# KiCad board cynthion.kicad_pcb (continued)
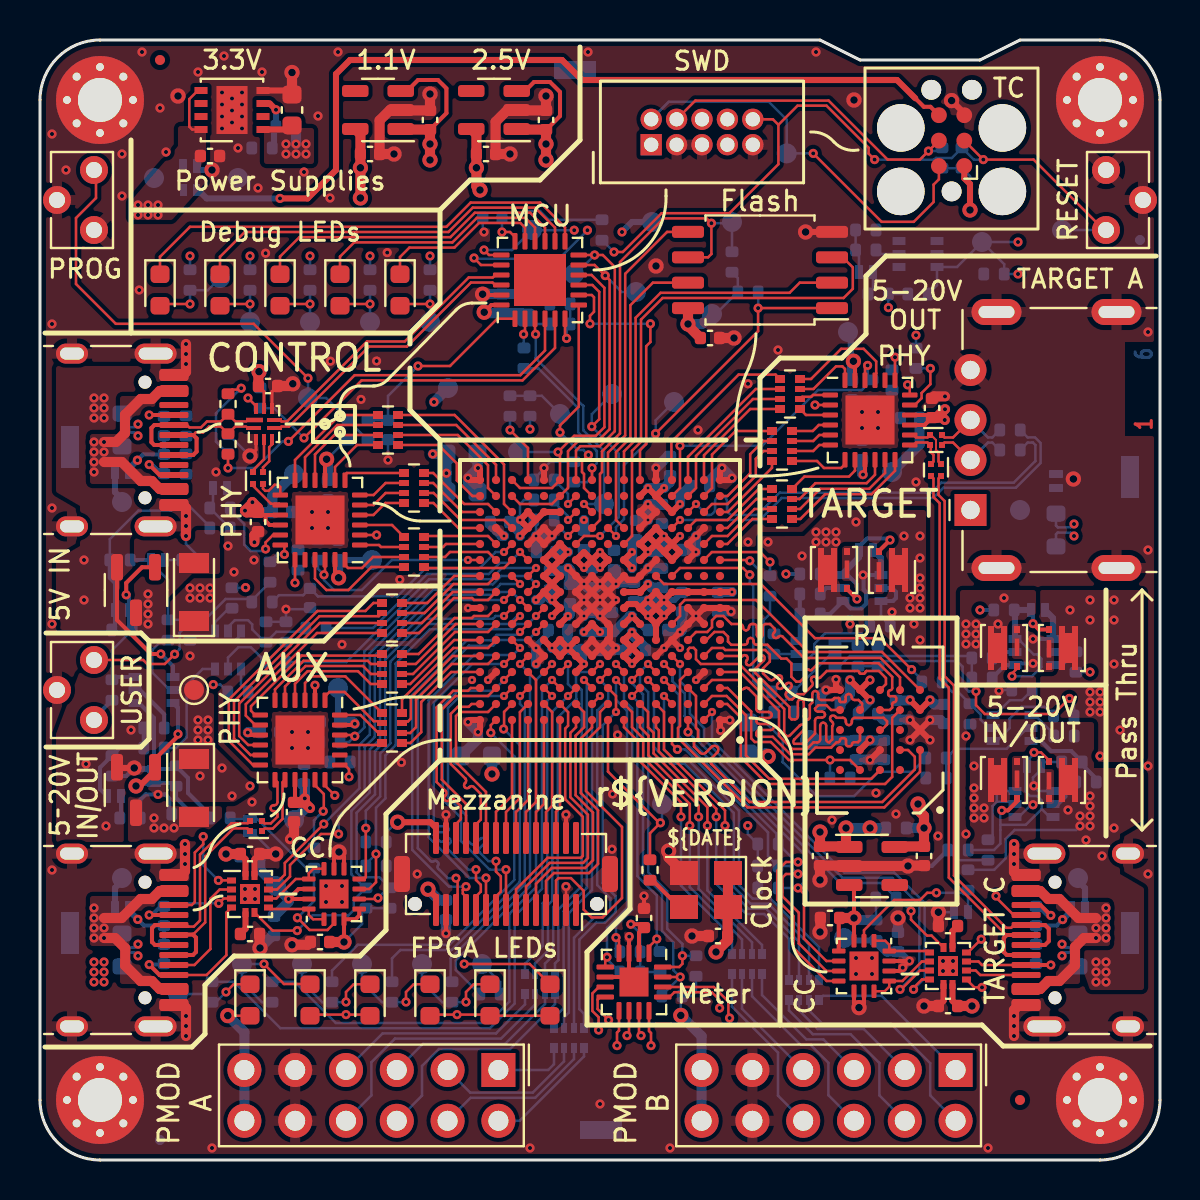
[diagram p0: board, top side]
## Nets (continued)
/FPGA Bank 8 and Configuration Flash/FPGA_CFG2: IC1.R10 R14.1
/FPGA Bank 8 and Configuration Flash/FPGA_FLASH_CLK: IC1.N9 R109.2 TP10.1 U7.6
/FPGA Bank 8 and Configuration Flash/IO0: IC1.T8 U7.5
/FPGA Bank 8 and Configuration Flash/IO1: IC1.T7 U7.2
/FPGA Bank 8 and Configuration Flash/IO2: IC1.M7 U7.3
/FPGA Bank 8 and Configuration Flash/IO3: IC1.N7 U7.7
/FPGA Bank 8 and Configuration Flash/~{CS}: IC1.N8 R110.2 TP11.1 U7.1
/FPGA Bank 8 and Configuration Flash/~{FPGA_SELF_PROGRAM}: IC1.T13 R5.2
/FPGA Banks 0 and 1/LED0: IC1.E13 R31.2
/FPGA Banks 0 and 1/LED1: IC1.C13 R30.2
/FPGA Banks 0 and 1/LED2: IC1.B14 R29.2
/FPGA Banks 0 and 1/LED3: IC1.A15 R28.2
/FPGA Banks 0 and 1/LED4: IC1.D12 R27.2
/FPGA Banks 0 and 1/LED5: IC1.C11 R26.2
/FPGA Banks 0 and 1/MON.GPIO: IC1.D6 R86.2 U1.15
/FPGA Banks 0 and 1/MON.SCL: IC1.D7 R83.2 U1.4
/FPGA Banks 0 and 1/MON.SDA: IC1.C7 R84.2 U1.5
/FPGA Banks 0 and 1/MON.SLOW: IC1.C6 R85.2 U1.1
/FPGA Banks 0 and 1/MON.~{PWRDN}: IC1.D5 R87.2 U1.16
/FPGA Banks 0 and 1/TARGET_C.SBU1S: IC1.A2 U13.10
/FPGA Banks 0 and 1/TARGET_C.SBU2S: IC1.E4 U13.9
/FPGA Banks 0 and 1/TARGET_C.SCL: IC1.A4 R98.2 U2.6
/FPGA Banks 0 and 1/TARGET_C.SDA: IC1.C4 R97.2 U2.7
/FPGA Banks 0 and 1/TARGET_C.~{FAULT}: IC1.D4 R100.2 U13.6
/FPGA Banks 0 and 1/TARGET_C.~{INT}: IC1.A3 R37.2 U2.5
/FPGA Banks 2 and 3/~{AUX_VBUS_IN_EN}: IC1.L13 R78.2
/FPGA Banks 2 and 3/~{BTN_USER}: C78.1 IC1.M14 R107.1
/FPGA Banks 2 and 3/~{CONTROL_VBUS_IN_EN}: IC1.K13 R71.2
/FPGA Banks 6 and 7/AUX_VBUS_EN: IC1.L2 R63.2
/FPGA Banks 6 and 7/CONTROL_VBUS_EN: IC1.L1 R40.2
/FPGA Banks 6 and 7/RAM.CK: IC1.C3 U10.B2
/FPGA Banks 6 and 7/RAM.DQ0: IC1.F2 U10.D3
/FPGA Banks 6 and 7/RAM.DQ1: IC1.B1 U10.D2
/FPGA Banks 6 and 7/RAM.DQ2: IC1.C2 U10.C4
/FPGA Banks 6 and 7/RAM.DQ3: IC1.E1 U10.D4
/FPGA Banks 6 and 7/RAM.DQ4: IC1.E3 U10.D5
/FPGA Banks 6 and 7/RAM.DQ5: IC1.E2 U10.E3
/FPGA Banks 6 and 7/RAM.DQ6: IC1.F3 U10.E2
/FPGA Banks 6 and 7/RAM.DQ7: IC1.G4 U10.E1
/FPGA Banks 6 and 7/RAM.RWDS: IC1.D1 U10.C3
/FPGA Banks 6 and 7/RAM.~{CK}: IC1.D3 U10.B1
/FPGA Banks 6 and 7/RAM.~{CS}: IC1.B2 U10.A3
/FPGA Banks 6 and 7/RAM.~{RESET}: IC1.C1 R119.1 U10.A4
/FPGA Banks 6 and 7/TARGET_A_DISCHARGE: IC1.K4 R88.2
/FPGA Banks 6 and 7/TARGET_C_VBUS_EN: IC1.K5 R65.2
/FPGA Banks 6 and 7/TARGET_FS_MONITOR_D+: IC1.N4 R58.2
/FPGA Banks 6 and 7/TARGET_FS_MONITOR_D-: IC1.P3 R57.2
/FPGA Banks 6 and 7/TARGET_PHY.CLK: IC1.T4 RN11.1
/FPGA Banks 6 and 7/TARGET_PHY.DATA0: IC1.R2 RN12.1
/FPGA Banks 6 and 7/TARGET_PHY.DATA1: IC1.R1 RN12.2
/FPGA Banks 6 and 7/TARGET_PHY.DATA2: IC1.P2 RN12.3
/FPGA Banks 6 and 7/TARGET_PHY.DATA3: IC1.P1 RN12.4
/FPGA Banks 6 and 7/TARGET_PHY.DATA4: IC1.N3 RN13.1
/FPGA Banks 6 and 7/TARGET_PHY.DATA5: IC1.N1 RN13.2
/FPGA Banks 6 and 7/TARGET_PHY.DATA6: IC1.M2 RN13.3
/FPGA Banks 6 and 7/TARGET_PHY.DATA7: IC1.M1 RN13.4
/FPGA Banks 6 and 7/TARGET_PHY.DIR: IC1.R3 RN11.3
/FPGA Banks 6 and 7/TARGET_PHY.NXT: IC1.T2 RN11.4
/FPGA Banks 6 and 7/TARGET_PHY.STP: IC1.T3 RN11.2
/FPGA Banks 6 and 7/TARGET_PHY.~{RESET}: IC1.R4 R23.1 U9.22
/Power Distribution and Monitoring/~{POWER_GOOD}: Q16.6 R43.2 R103.2 R112.2 R113.2 R114.2 R115.2 R116.2 R117.2 TP8.1
/TARGET Port/TARGET PHY/CLK: RN11.8 U9.21
/TARGET Port/TARGET PHY/DATA0: RN12.8 U9.4
/TARGET Port/TARGET PHY/DATA1: RN12.7 U9.5
/TARGET Port/TARGET PHY/DATA2: RN12.6 U9.6
/TARGET Port/TARGET PHY/DATA3: RN12.5 U9.7
/TARGET Port/TARGET PHY/DATA4: RN13.8 U9.8
/TARGET Port/TARGET PHY/DATA5: RN13.7 U9.10
/TARGET Port/TARGET PHY/DATA6: RN13.6 U9.11
/TARGET Port/TARGET PHY/DATA7: RN13.5 U9.12
/TARGET Port/TARGET PHY/DIR: RN11.6 U9.1
/TARGET Port/TARGET PHY/NXT: RN11.5 U9.3
/TARGET Port/TARGET PHY/PHY_D+: FL2.1 FL4.1 U9.14
/TARGET Port/TARGET PHY/PHY_D-: FL2.3 FL4.3 U9.13
/TARGET Port/TARGET PHY/RBIAS: R18.2 U9.19
/TARGET Port/TARGET PHY/STP: RN11.7 U9.24
/TARGET Port/TARGET Type C Controller/CC1: C54.1 J4.A5 U13.3
/TARGET Port/TARGET Type C Controller/CC1S: U2.10 U2.11 U13.8
/TARGET Port/TARGET Type C Controller/CC2: C55.1 J4.B5 U13.4
/TARGET Port/TARGET Type C Controller/CC2S: U2.1 U2.14 U13.7
/TARGET Port/TARGET Type C Controller/SBU1: J4.A8 U13.1
/TARGET Port/TARGET Type C Controller/SBU2: J4.B8 U13.2
/TARGET Port/TARGET Type C Controller/VCONN: C45.1 R36.1 TP36.1 U2.12 U2.13
/TARGET Port/TARGET_A_D+: FL2.2 J3.3 R58.1
/TARGET Port/TARGET_A_D-: FL2.4 J3.2 R57.1
/TARGET Port/TARGET_C_D+: FL4.2 J4.A6 J4.B6
/TARGET Port/TARGET_C_D-: FL4.4 J4.A7 J4.B7
AUX_SENSE+: R42.3 U1.8
AUX_SENSE-: R42.2 U1.7
AUX_VBUS: D25.1 J1.A4 J1.A9 J1.B4 J1.B9 R42.4 TP34.1
AUX_VBUS_IN: D20.1 Q4.1 Q10.4 Q12.2 R42.1 R44.2 R74.1 R75.1
CONTROL_SENSE+: R1.2 U1.10
CONTROL_SENSE-: R1.3 U1.9
CONTROL_VBUS: D23.1 J2.A4 J2.A9 J2.B4 J2.B9 R1.1 TP16.1
CONTROL_VBUS_IN: D16.1 Q1.1 Q9.2 Q10.1 R1.4 R46.2 R67.1 R68.1
TARGET_A_SENSE+: R2.3 U1.11
TARGET_A_SENSE-: R2.2 U1.12
TARGET_A_VBUS: D24.1 J3.1 R2.4 TP7.1
TARGET_A_VBUS_IN: Q2.1 Q5.1 Q6.1 R2.1 R49.1
TARGET_C_SENSE+: R59.3 U1.13
TARGET_C_SENSE-: R59.2 U1.14
TARGET_C_VBUS: D26.1 J4.A4 J4.A9 J4.B4 J4.B9 R59.4 TP40.1
TARGET_C_VBUS_IN: Q7.1 R45.2 R59.1
Net-(D1-A): D1.2 Q12.3
Net-(D2-K): D2.1 R26.1 TP43.1
Net-(D3-K): D3.1 R27.1 TP47.1
Net-(D4-K): D4.1 R28.1 TP52.1
Net-(D5-K): D5.1 R29.1 TP53.1
Net-(D6-K): D6.1 R30.1 TP54.1
Net-(D7-K): D7.1 R31.1 TP55.1
Net-(D8-A): D8.2 Q9.3
Net-(D9-A): D9.2 J10.6
Net-(D10-A): D10.2 R7.2 TP31.1
Net-(D11-A): D11.2 R8.2 TP32.1
Net-(D12-A): D12.2 R9.2 TP38.1
Net-(D13-A): D13.2 R10.2 TP39.1
Net-(D14-A): D14.2 R11.2 TP41.1
Net-(D16-A): D16.2 Q9.1 Q10.6 R68.2 R70.1
Net-(D17-A): D17.2 R73.1
Net-(D17-K): D17.1 R47.2 R67.2 R69.1
Net-(D20-A): D20.2 Q10.3 Q12.1 R75.2 R77.1
Net-(D21-A): D21.2 R80.1
Net-(D21-K): D21.1 R48.2 R74.2 R76.1
Net-(D27-A): D27.2 Q1.3 Q2.3 Q13.6 R90.2
Net-(D27-K): D27.1 Q1.4 Q2.4 Q13.1 Q13.4 R3.1
Net-(D28-A): D28.2 Q4.3 Q5.3 Q14.6 R94.2
Net-(D28-K): D28.1 Q4.4 Q5.4 Q14.1 Q14.4 R60.1
Net-(D29-A): D29.2 Q6.3 Q7.3 Q15.6 R96.2
Net-(D29-K): D29.1 Q6.4 Q7.4 Q15.1 Q15.4 R61.1
Net-(D30-A): D30.2 R50.1 R51.1
Net-(D30-K): D30.1 R4.2
Net-(Q3A-B1): Q3.2 R40.1 R41.1
Net-(Q3A-C1): Q3.6 R3.2 R62.1
Net-(Q3A-E1): Q3.1 R112.1
Net-(Q3B-B2): Q3.5 R63.1 R64.1
Net-(Q3B-C2): Q3.3 R60.2 R92.1
Net-(Q3B-E2): Q3.4 R115.1
Net-(Q8A-B1): Q8.2 R65.1 R66.1
Net-(Q8A-C1): Q8.6 R61.2 R93.1
Net-(Q8A-E1): Q8.1 R114.1
Net-(Q8B-B2): Q8.5 R88.1 R89.1
Net-(Q8B-C2): Q8.3 R49.2
Net-(Q8B-E2): Q8.4 R103.1
Net-(Q10A-B1): Q10.2 R47.1
Net-(Q10B-B2): Q10.5 R48.1
Net-(Q11A-B1): Q11.2 R71.1 R72.1
Net-(Q11A-C1): Q11.6 R69.2
Net-(Q11A-E1): Q11.1 R113.1
Net-(Q11B-B2): Q11.5 R78.1 R79.1
Net-(Q11B-C2): Q11.3 R76.2
Net-(Q11B-E2): Q11.4 R116.1
Net-(Q13A-B1): Q13.2 Q13.3 R91.2
Net-(Q13B-B2): Q13.5 R62.2
Net-(Q14A-B1): Q14.2 Q14.3 R95.2
Net-(Q14B-B2): Q14.5 R92.2
Net-(Q15A-B1): Q15.2 Q15.3 R120.2
Net-(Q15B-B2): Q15.5 R93.2
Net-(Q16A-B1): Q16.2 R50.2
Net-(R101-Pad2): R101.2 R104.2 SW1.1 TP15.1
Net-(R106-Pad2): R106.2 R107.2 SW3.1
Net-(U3-ADJ/NC): R81.2 R82.1 U3.3
Net-(U6-PA03): R118.2 U6.2
Net-(U6-PA07): R52.2 R53.1 U6.6
Net-(U6-PA28/~{RST}): C77.1 R105.2 U6.18
Net-(U13-CB): C57.1 U13.5
Net-(U14-CB): C63.1 U14.5
Net-(U16-1D+): FL3.4 U16.5
Net-(U16-1D-): FL3.2 U16.4
Net-(Y1-OUT): R108.2 Y1.3

Pads without a net: IC1 B3 F1 G1 K1 K2 K3 M8 M9 P7 P8 R7 R8 R12 R13; J2 A8 B8; J5 1 30; J6 6 7 8; Q16 3 4 5; U3 2 6 7; U4 4; U5 4; U6 25; U8 20; U9 20; U10 A2 A5 B5 C2 C5; U11 20; U15 4

## Via types
v1: diameter 0.457, hole 0.203, Top to Bottom, 480 vias
v2: diameter 0.41, hole 0.15, Top to Bottom, 109 vias
v3: diameter 0.762, hole 0.381, Top to Bottom, 62 vias

## Routing (per net, layer and track width the routed paths; a pad name or vN(x,y) marks a point on that pad's centre or on a via; arc(x,y) is an arc through that point)
+1V1: length 17.8
  Top w0.305: IC1.L9 v2(27.2,29.6) IC1.L10 27.2,30.4 IC1.L9 ; IC1.L9 v2(28,29.6) IC1.L8 v2(28,30.4) IC1.L9 ; IC1.G7 v2(29.6,27.2) IC1.G6 ; v2(28,26.4) IC1.G9 v2(27.2,26.4)
  Top w0.508: v3(16.02,48.1) v3(16.02,49.61) C29.1 16.02,51.29 U4.5
  Bottom w0.305: C15.1 30.3,26.5 v2(29.6,27.2)
  Bottom w0.508: v2(27.2,26.4) 27.58,26.4 C13.1 27.62,26.4 v2(28,26.4) 28.58,26.4 C9.1 28.72,26.42 29.5,27.2 v2(29.6,27.2) ; C3.1 20.33,34.33 v1(20.32,34.34) 20.33,34.34 C1.1 v1(19.64,35.3) ; TP4.1 v1(19.7,37.9)
+2V5: length 10.4
  Top w0.305: v2(29.6,29.6) IC1.L7 v2(29.6,30.4) ; IC1.G11 v2(26.4,27.2)
  Top w0.508: v3(22,48.5) 21.82,48.68 v3(21.82,49.61) C30.1 21.82,51.29 U5.5
  Bottom w0.305: TP5.1 29.6,46.9 v1(29.1,46.4) ; C22.1 31.03,31.82 30.23,31.02 C26.1
  Bottom w0.508: C26.1 29.6,30.82 v2(29.6,30.4) v2(29.6,29.6) ; v2(26.4,27.2) 26.5,27.3 C24.1
+3V3: length 201.9
  Top w0.127: v1(14.74,18.23) 14.25,18.72 U11.18 ; v1(43.38,38.76) 43.49,38.65 U9.18 ; D5.2 19.56,7.27 v1(20.85,7.27) 22.44,7.27 D6.2 D7.2 ; D3.2 13.56,7.27 v1(15.3,7.27) 16.44,7.27 D4.2 ; v1(12.22,30.28) 12.22,30.7 12.17,30.75 U8.18 ; U8.2 v1(16.83,31.25) ; v3(9.39,7.22) 9.4,7.21 D2.2 ; U9.2 v1(38.75,37.75)
  Top w0.152: U16.9 11.2,38.42 C61.1
  Top w0.203: U1.2 29.95,11.37 C40.1 30.03,11.79 v1(29.54,11.79) ; v1(10.39,21.37) 10.51,21.25 U11.9 ; U9.9 41.25,34.41 41.13,34.29 ; v1(13.24,18.08) 13.25,18.09 U11.16 ; v3(14.33,35.04) 14.25,34.96 U8.9 ; 11.28,32.25 11.28,31.95 11.48,31.75 U8.16 ; 11.28,32.25 11.03,32.25 C38.1 ; 11.28,32.25 U8.15 ; U4.3 18.35,53.45 18.9,54 19.9,54 20.32,53.58 20.32,52.34 C27.1 ; v3(15.2,10.9) U12.3 15.78,12.04 15.96,12.22 U12.4 ; v3(22.21,42.39) 22.57,42.75 U6.24 ; U5.3 24.25,53.45 24.7,53.9 25.5,53.9 26,53.4 26,52.2 25.32,51.52 C28.1 ; U11.2 v1(13.75,23.74) ; U15.3 40.7,13.51 v3(40.7,12.1) U2.3 ; C66.1 12.75,17.93 U11.15 ; U9.15 44.23,36.75 C44.1 44.47,37.25 U9.16 ; U2.4 39.94,12.06 C41.1
  Top w0.305: v3(19.4,13.54) 19.8,13.14 J5.15 ; 18.07,51.52 U4.1 ; IC1.F10 v2(26.4,25.6) ; v2(26.4,25.6) IC1.E11 v2(25.6,25.6) ; v2(26.4,25.6) IC1.F11 v2(25.6,25.6) ; v2(26.4,25.6) IC1.E10 v2(27.2,24.8) IC1.D10 ; IC1.L11 IC1.K12 IC1.J11 v2(25.6,28) ; IC1.L11 v2(26.4,30.4) IC1.M11 25.6,30.4 ; IC1.L11 25.6,30.4 ; IC1.J12 IC1.K11 IC1.L12 25.6,30.4 ; IC1.J12 v2(24.8,28) ; IC1.J12 v2(25.6,28) ; IC1.R5 v2(31.2,33.6) ; IC1.R5 IC1.P4 v2(32,32.8) ; IC1.R5 v2(30.4,33.6) IC1.R6 ; v2(25.6,28) IC1.H11 v2(25.6,27.2) ; C20.1 12.4,51.53 U3.1 ; 24.8,32 IC1.P13 v2(24,32) IC1.N13 ; 24.8,32 IC1.N13 ; 24.8,32 IC1.P12 IC1.P11 ; IC1.N13 v2(24,31.2) ; IC1.M4 32,30.4 IC1.L4 31.2,30.4 ; IC1.M4 31.2,30.4 ; IC1.M4 v2(32,31.2) ; IC1.M4 v2(31.2,31.2) ; 31.2,30.4 IC1.M5 ; IC1.J7 IC1.J6 v2(30.4,28.8) ; IC1.M5 v2(31.2,31.2) ; IC1.M5 30.4,31.2 ; IC1.M5 v2(30.4,30.4) ; 29.3,26.1 29.3,25.9 IC1.E6 v2(29.6,24.8) IC1.E7 IC1.F6 v2(29.6,26.4) 29.3,26.1 ; 29.3,26.1 IC1.F7 ; C58.1 10.28,15.05 U14.12 ; v2(31.2,31.2) IC1.N5 30.4,31.2 ; J10.1 46.22,49.08 46.5,48.8 v3(46.5,47.5) ; 30.4,31.2 IC1.M6 v2(30.4,30.4) ; J5.16 19.8,16.61 19.52,16.89 v3(17.88,16.89) ; v2(30.4,30.4) IC1.L6 ; C56.1 45.62,7.95 U13.12 ; v2(25.6,25.6) IC1.F12
  Top w0.508: 18.07,51.52 C27.1 v3(19.5,50.8) v3(19.5,50) ; v3(25.3,50) v3(25.3,50.8) C28.1 23.87,51.52 U5.1 ; v1(45.25,37.54) 44.83,37.12 C44.1 45.12,37.12 v1(45.24,37) ; v3(40.3,16.6) 40.3,15.81 U15.1 40.43,15.68 C59.1 v3(39,16.4) ; Y1.1 Y1.4 34.38,12.63 C10.1 34.38,10.98 v3(33.8,10.4) ; 13.05,17.88 C66.1 13.04,17.88 v1(13.24,18.08) 13.24,17.86 v1(13.5,17.6) ; C41.1 v3(40.7,12.1) ; C58.1 v3(9.3,15.3) ; C56.1 v3(46.6,7.7) ; C61.1 10.92,39.39 v3(10.95,39.42) ; v3(15.2,10.9) C49.1 ; C35.1 32.4,41.72 v3(32.4,41.8) U7.8 ; 10.34,32.38 v1(10.25,32.47) 10.62,32.84 v1(10.62,32.89) 10.9,32.61 C38.1 10.34,32.38
  Bottom w0.127: R106.1 11.5,29.93 11.85,30.28 v1(12.22,30.28) ; R8.1 v1(10.5,45.2) ; R37.1 35.88,13.61 R98.1 35.89,14.71 R97.1 35.39,16.3 v1(35.39,16.72) ; R7.1 v1(7.5,45.2) ; R13.2 24.2,33 24,32.8 v2(24,32) ; v3(10.95,39.42) 10.95,38.66 R15.1 ; 17.6,12.59 16.1,12.59 16.1,11.8 v3(15.2,10.9) ; R11.1 v1(19.5,45.2) ; v3(46.5,47.5) 46.5,49.19 R25.1 R111.1 ; R10.1 v1(16.5,45.2) ; R43.1 R4.1 v1(42.42,42.62) ; R100.1 41.8,13.09 R36.2 ; R109.1 34.89,44.1 R110.1 33.79,42.3 TP3.1 ; R85.1 R84.1 R83.1 30.01,11.32 v1(29.54,11.79) ; v3(17.88,16.89) 17.82,16.89 17.31,16.38 R33.1 R38.1 ; R52.1 24.62,41.8 C73.1 ; R87.1 32.8,8.4 32.6,8.2 R86.1 32.04,8.13 v3(32.04,7.23) ; R6.1 v1(24.5,36.54) ; R101.1 15.31,35.99 14.36,35.04 v3(14.33,35.04) ; R9.1 v1(13.5,45.2)
  Bottom w0.305: C33.1 31.2,30.58 v2(31.2,31.2) ; C18.1 30.28,25.48 v2(29.6,24.8) ; v2(27.2,24.8) 27.2,25.42 C14.1
  Bottom w0.508: TP3.1 33.1,41.8 v3(32.4,41.8) ; v3(19.4,13.54) 19.96,12.98 C74.1 ; v2(30.4,28.8) 30.58,28.62 C12.1 ; C18.1 30.28,25.59 29.6,26.27 v2(29.6,26.4) ; v3(14.33,35.04) 14.4,34.97 C39.1 ; C2.1 v3(22.6,19.3) ; v2(24.8,28) 24.98,28 C16.1 25.5,28.1 v2(25.6,28) ; C67.1 41.1,34.32 41.13,34.29 ; C14.1 26.5,25.5 v2(26.4,25.6) ; v2(26.4,25.6) v2(25.6,25.6) ; v2(26.4,25.6) 26.38,25.62 C79.1 ; C23.1 32,33.18 v2(32,32.8) ; 13.24,18.4 13.24,17.66 13.3,17.6 ; 13.24,18.4 13.24,18.78 C48.1 ; 13.24,18.4 v1(13.24,18.08) ; v1(10.25,32.47) 10.57,32.47 10.62,32.42 ; J8.12 J8.6 33.08,6.19 v3(32.04,7.23) ; v1(13.5,17.6) 13.3,17.6 ; 13.3,17.6 TP2.1 12.77,17 ; C46.1 10.42,21.4 v1(10.39,21.37) ; v3(22.21,42.39) 22.26,42.34 C34.1 24.09,42.34 C73.1 ; v3(9.3,15.3) 9.89,15.3 R32.2 ; R54.1 v3(41.5,16.6) v3(40.3,16.6) ; 44.8,37.1 45.14,37.1 v1(45.24,37) ; 44.8,37.1 45.24,37.54 v1(45.25,37.54) ; 44.8,37.1 C42.1 43.98,35.78 TP9.1 ; R81.1 12.8,51.67 v1(12.8,50.8) ; TP26.1 11.62,33.22 C36.1 10.6,32.4 10.62,32.42 ; C4.1 36.26,20.33 v3(36.41,20.18) ; C8.1 v2(26.4,30.4) ; v2(24,32) 23.9,31.9 C80.1 24,31.38 v2(24,31.2) ; 10.62,32.42 v1(10.62,32.89) ; J7.12 J7.6 10.22,6.39 v3(9.39,7.22) ; v3(40.7,12.1) 40.8,12 R36.2 ; C33.1 31.02,30.4 v2(30.4,30.4) ; C81.1 31.5,33.9 v2(31.2,33.6) v2(30.4,33.6)
  vias: v1(12.3,50.8) v1(12.3,50.3) v1(12.8,50.3) v1(13.3,50.8) v1(13.3,50.3) v1(41.15,34.27)
+5V: length 2.8
  Top w0.127: U3.5 7.89,53.47 7.47,53.05 7.47,51.67 7.61,51.53 U3.8
  vias: v1(4.9,47.75) v1(4.9,47.25) v1(5.4,47.75) v1(5.4,47.25) v1(5.9,47.75) v1(5.9,47.25) v1(7.5,28.6) v1(7.5,28.1) v1(7.5,25.2) v1(7.9,22) v1(7.9,21.5) v1(7.9,21) v1(8,28.6) v1(8,28.1) v1(8,19.2) v1(8.4,22) v1(8.4,21.5) v1(8.4,21) v1(8.5,28.6) v1(8.5,28.1) v1(9.1,19.6) v1(9.4,30.7) v1(9.6,18.2) v1(9.7,29.4) v1(10.5,18.7) v1(10.7,30)
/AUX Port/AUX PHY/VBUS_CLAMPED: length 10.5
  Top w0.127: v1(12.87,12.11) 13.48,11.5 14.37,11.5 14.7,11.83 U12.2
  Bottom w0.127: v1(12.87,12.11) 13.7,12.94 R21.1 13.32,14.59 10.86,17.05 D15.1 9.56,17.05 R44.1
/AUX Port/AUX PHY/VBUS_SENSE: length 3.8
  Top w0.127: v1(14.16,17.44) 14.19,17.47 14.19,18.3 13.75,18.74 U11.17
  Bottom w0.127: v1(14.16,17.44) 13.7,16.98 R21.2
/AUX Port/AUX PHY/VDD18: length 3.3
  Top w0.203: v1(15.74,21.81) 15.68,21.75 U11.23
  Bottom w0.305: C50.1 14.9,21.98 TP35.1
  Bottom w0.508: C50.1 15.65,21.9 v1(15.74,21.81)
/CONTROL Port/CONTROL PHY/VBUS_CLAMPED: length 2.5
  Bottom w0.127: D22.1 8.65,32.76 R17.1 9.49,31.6 R46.1
/CONTROL Port/CONTROL PHY/VBUS_SENSE: length 4.9
  Top w0.127: 11.7,31.25 U8.17 11.65,31.25 11.28,30.88 v1(11.28,30.55)
  Bottom w0.127: R17.2 9.51,32.5 10.21,31.8 10.21,30.77 10.53,30.45 11.18,30.45 v1(11.28,30.55)
/CONTROL Port/CONTROL PHY/VDD18: length 3.6
  Top w0.203: U8.23 14.75,29.29 v3(14.93,29.11)
  Bottom w0.305: TP17.1 14.92,30 C37.1
  Bottom w0.508: C37.1 14.9,29.14 v3(14.93,29.11)
/TARGET Port/TARGET PHY/VBUS_CLAMPED: length 45.2
  Top w0.127: v1(44.82,13.36) 44.36,13.36 44,13 42.71,13 41.2,11.49 U2.2
  In2.Cu w0.127: v1(43.8,41.24) 48.06,41.24 50.38,38.92 50.38,17.87 48.87,16.36 48.53,16.36 47.97,15.8 47.97,14.34 46.99,13.36 v1(44.82,13.36)
  Bottom w0.127: R19.1 v1(43.8,41.24) ; v1(44.82,13.36) 46.27,13.36 R45.1 D18.1
/TARGET Port/TARGET PHY/VBUS_SENSE: length 3.4
  Top w0.127: 43.77,37.75 U9.17 43.74,37.75 44.08,38.09 44.08,38.35 44.52,38.79 v1(44.52,39.58)
  Bottom w0.127: v1(44.52,39.58) R19.2
/TARGET Port/TARGET PHY/VDD18: length 3.5
  Top w0.203: v3(40.67,39.94) 40.75,39.86 U9.23
  Bottom w0.305: TP27.1 40.54,41.26 40.54,40.07 v3(40.67,39.94)
  Bottom w0.508: C43.1 40.6,39.87 v3(40.67,39.94)
GND: length 193.9
  Top w0.127: J5.2 v1(26.3,13.68)
  Top w0.152: U16.8 11.6,38.42 C61.2 ; U16.3 10.8,35.5 v3(10.5,35.2)
  Top w0.203: J5.29 26.3,17.26 26.29,17.27 ; U2.8 40.7,7.87 v3(40.95,7.62) 41.2,7.87 U2.9 ; U12.9 14.7,15.15 v3(14.95,15.4) 15.2,15.15 U12.8 ; 29.45,9.15 U1.3 29.45,11.16 v1(29.46,11.17) ; 29.45,9.15 U1.17 ; 29.45,9.15 U1.6 ; J5.17 v1(20.3,17.27) ; v3(22.13,43.29) 22.17,43.25 U6.23 ; C40.2 v1(30.2,13.2) ; J5.14 v1(20.3,11.33)
  Top w0.305: v2(27.2,28) IC1.H9 ; v2(27.2,28) IC1.J10 v2(27.2,28.8) ; v2(27.2,28) IC1.H10 v2(27.2,27.2) ; v2(27.2,28) IC1.J9 ; IC1.H9 v2(28,27.2) ; IC1.H9 v2(27.2,27.2) ; IC1.H9 v2(28,28) ; v1(34.03,21.48) 34,21.51 IC1.A1 34.48,22 v1(34.49,21.99) ; IC1.F8 28.5,26.1 28.5,26.7 IC1.G8 v2(28,27.2) ; IC1.F8 v2(28.8,25.6) IC1.E8 IC1.F9 27.2,25.6 IC1.E9 IC1.F8 ; IC1.G10 v2(27.2,27.2) ; v1(34.55,27.42) 34.37,27.6 IC1.H1 IC1.H2 v2(32.8,27.2) ; v2(27.2,28.8) IC1.K9 v2(28,28.8) ; v2(27.2,28.8) IC1.J9 ; v2(27.2,28.8) IC1.K10 v2(26.4,29.6) ; 12.4,53.45 12.6,53.25 ; IC1.T12 v1(25.2,34.6) ; v2(28,27.2) IC1.H8 ; v1(21.9,34.6) 22,34.5 IC1.T16 21.5,34 v1(21.4,34.1) ; IC1.L3 v2(32.8,30.4) IC1.M3 v2(32.8,31.2) IC1.N2 ; C20.2 12.4,53.47 U3.4 ; v2(30.4,32) IC1.P5 v2(30.4,32.8) IC1.P6 v2(30.4,32) ; v2(30.4,32) IC1.N6 ; v3(45.58,52.97) 46.22,52.33 J10.5 ; IC1.J8 v2(28.8,28) IC1.H8 ; IC1.J8 v2(28.8,28.8) ; IC1.J8 v2(28,28) ; IC1.J8 v2(28,28.8) ; 18.06,52.48 U4.2 ; v2(24.8,31.2) IC1.M12 v2(25.6,31.2) ; v2(24.8,31.2) IC1.N12 v2(25.6,31.2) ; v2(24.8,31.2) IC1.M13 ; v2(32.8,27.2) IC1.G3 v2(32,26.4) IC1.F4 ; v2(32.8,27.2) IC1.G2 ; v2(32.8,27.2) IC1.H3 ; IC1.E5 v2(31.2,25.6) IC1.F4 ; v2(28.8,28.8) IC1.K8 v2(28,28.8) ; v2(28.8,28.8) IC1.K7 29.4,29 29.8,29 IC1.K6 v2(30.4,29.6) IC1.L5 ; v1(39.8,24.03) 39.8,23.7 U10.E5 v1(39.3,23.5) ; v2(28,28.8) IC1.J9 ; IC1.J9 v2(28,28) ; IC1.H16 v2(21.4,27.6) ; v2(28,28) IC1.H8 ; U7.4 38.28,46.41 v3(38.28,46.4) ; U10.C1 v1(44.5,22) ; U10.C1 v1(44.5,21) ; U10.C1 v1(43.5,22) ; U10.C1 v1(43.5,21) ; v1(21.4,21.9) 21.5,22 IC1.A16 22,21.5 v1(21.9,21.4) ; U14.11 10.72,15.05 C58.2 ; v1(34.1,34.6) 34,34.5 IC1.T1 34.5,34 v1(34.6,34.1) ; v2(25.6,31.2) IC1.N11 ; IC1.N15 v2(23.2,31.2) ; IC1.D2 v2(32.8,24) ; U13.11 45.18,7.95 C56.2 ; U10.B3 v1(41.5,20) ; IC1.D15 v2(22.4,24) ; IC1.F4 v2(32,25.6) ; v2(24.8,24.8) IC1.E12 v2(24.8,25.6) IC1.F13 ; IC1.T5 v1(30.8,34.6)
  Top w0.508: v1(12.5,16.04) 12.7,16.24 C66.2 ; v1(45.25,38.18) 44.7,38.18 C44.2 ; v3(19.5,53.3) C27.2 18.06,52.48 ; v1(7.3,31.2) v1(7.3,31.7) v1(7.3,32.2) 7.3,32.6 7.15,32.75 J2.A12 ; v1(7.3,6.2) v1(7.3,6.7) v1(7.3,7.2) 7.3,7.6 7.15,7.75 J1.A12 6.92,7.75 ; C56.2 v3(44.2,7.7) ; v1(10.72,30.89) 10.72,31.24 C38.2 ; v3(31.43,15.45) 31.43,15.12 Y1.2 ; C41.2 39.02,11.42 v3(39,11.4) ; C61.2 12.53,38.7 v3(12.64,38.81) ; v3(23.5,50.3) C30.2 22.78,51.91 23.37,52.5 U5.2 23.86,52.48 C28.2 v3(25.3,53.2) ; J2.A1 7.15,39.25 7.3,39.4 v1(7.3,39.8) v1(7.3,40.3) v1(7.3,40.8) ; J4.A1 48.95,7.75 48.7,7.5 v1(48.7,7.2) v1(48.7,6.7) v1(48.7,6.2) ; J1.A1 7.05,14.25 7.25,14.45 v1(7.25,14.8) v1(7.25,15.3) v1(7.25,15.8) ; C63.2 10.98,10.62 v3(11,10.6) ; C49.2 13.38,10.76 v3(12.6,10.76) ; C60.2 43.42,14.72 v3(43.4,14.7) U15.2 40.44,14.72 C59.2 v3(39,14) ; J4.A12 48.85,14.25 48.7,14.4 v1(48.7,14.8) v1(48.7,15.3) v1(48.7,15.8) ; C57.2 v3(44.92,12.39) ; U4.2 17.5,52.5 16.98,51.98 C29.2 v3(17.7,50.3) ; C10.2 v3(32.6,11.2) ; C35.2 v3(34.7,41.1) ; 12.6,53.25 v3(12.6,54.38) ; C58.2 v3(11.79,15.3)
  Bottom w0.127: v3(11.79,15.3) 11.72,15.3 10.67,16.35 D15.2 ; R102.2 25.51,34.91 v1(25.2,34.6) 25.2,34.56 24.69,34.05 R14.2 ; R79.2 R72.2 v1(12.3,27.54) 13.42,27.54 C78.2 ; D18.2 45.69,12.39 v3(44.92,12.39) ; R53.2 25.49,43.33 25.15,43.67 C73.2 ; v3(10.5,35.2) 9.42,36.28 C62.2 ; R120.1 45.9,14.99 R96.1 ; R73.2 8.1,30 7.3,30.8 v1(7.3,31.2) ; C76.2 v1(17.4,35) ; v1(22.2,46.4) 22.14,46.46 C77.2 ; R95.1 52.49,24.39 v1(52.5,24.4) ; R12.2 24.8,31.89 v2(24.8,31.2)
  Bottom w0.203: R94.1 v1(47,27.5) ; R80.2 5.01,18.01 5.28,18.28 v1(5.9,18.28) 6.26,18.28 6.47,18.07 6.47,17.42 R77.2 ; 49.8,10.8 C55.2 50.83,11.72 v1(51.13,12.02) ; R34.1 7.27,36.22 C25.2 C47.2 ; C47.2 5.16,35.28 v1(4.87,34.99) ; C47.2 7.27,35.28 R35.1 ; C53.2 C52.2 5.2,11.72 v1(4.89,12.03) ; v3(43.4,14.7) 44.59,14.7 R96.1 ; SW3.2 2.7,22.09 R70.2 ; R90.1 v1(37.3,29.3)
  Bottom w0.305: C79.2 25.42,26.32 24.8,25.7 v2(24.8,25.6) ; D23.2 4.45,34.57 v1(4.87,34.99) ; v1(51.13,12.02) 51.55,12.44 D26.2 ; D25.2 4.45,12.47 v1(4.89,12.03) ; 7.85,49.5 v3(8.6,49.5)
  Bottom w0.508: C16.2 26.28,29.48 v2(26.4,29.6) 26.5,29.5 C24.2 ; C32.2 39.04,23.24 v1(39.3,23.5) ; v3(11,10.6) 11.62,11.22 C51.2 ; 26.78,28.8 v2(27.2,28.8) 27.38,28.62 C17.2 27.82,28.62 v2(28,28.8) v2(28.8,28.8) ; v2(28.8,28.8) 28.88,28.88 C19.2 ; v2(28.8,28.8) 28.8,29.52 ; C81.2 31.38,35.18 v1(30.8,34.6) ; v1(43.5,22) 43.48,22.02 C65.2 42.16,22.02 C5.2 ; C21.2 41.52,20.02 v1(41.5,20) 41.48,20.02 C64.2 ; C23.2 33.48,33.98 v1(34.1,34.6) v1(34.6,34.1) ; C45.2 v3(42.9,12.1) ; C73.2 23.92,43.3 C34.2 22.14,43.3 v3(22.13,43.29) ; v2(24.8,24.8) v2(24.8,25.6) ; v2(32.8,31.2) v2(32.8,30.4) 32.7,30.5 C33.2 ; v2(27.2,27.2) 27.38,27.38 C13.2 27.82,27.38 v2(28,27.2) 28.18,27.38 C9.2 ; C14.2 28.7,25.5 v2(28.8,25.6) 28.9,25.5 C18.2 ; C74.2 v1(20.3,11.33) ; C3.2 21.4,33.88 v1(21.4,34.1) v1(21.9,34.6) 21.88,34.62 C1.2 ; C31.2 45.02,22 v1(44.5,22) ; v2(30.4,29.6) 30.42,29.58 C12.2 ; C80.2 22.52,31.78 23.1,31.2 v2(23.2,31.2) ; v2(27.2,32) C11.2 ; C8.2 24.82,31.18 v2(24.8,31.2) v2(25.6,31.2) ; C83.2 32.1,26.5 v2(32,26.4) 31.9,26.5 C15.2 ; C26.2 29.82,32 v2(30.4,32) v2(30.4,32.8) 31.08,32.8 C22.2 ; v1(34.55,27.42) C82.2 ; C2.2 21.9,21.05 v1(21.9,21.4) v1(21.4,21.9)
  vias: v1(0.6,51.3) v1(0.6,41.8) v1(0.6,32.6) v1(0.6,26.8) v1(0.6,14.5) v1(1.3,49.5) v1(4.1,50.3) v1(4.1,48.2) v1(4.96,43.5) v1(5.1,55.4) v1(6,52.6) v1(6.3,50.4) v1(7.9,54.4) v1(8.6,0.6) v1(8.8,34.4) v1(9.1,53.38) v1(9.1,52.78) v1(9.1,52.17) v1(9.1,51.58) v1(9.2,55.2) v1(9.6,53.08) v1(9.6,52.47) v1(9.6,51.88) v1(9.9,50.6) v1(10.1,53.38) v1(10.1,52.78) v1(10.1,52.17) v1(10.1,51.58) v1(10.25,13.55) v1(10.25,13.05) v1(10.6,17.9) v1(10.75,13.55) v1(10.75,13.05) v1(10.9,48.6) v1(11.1,54.4) v1(11.28,45.34) v1(12.6,21.4) v1(12.6,20.6) v1(13.2,49.4) v1(13.4,21.4) v1(13.4,20.6) v1(13.6,32.4) v1(13.6,31.6) v1(13.9,52.2) v1(14.3,13.7) v1(14.3,12.9) v1(14.4,32.4) v1(14.4,31.6) v1(14.5,48.1) v1(14.52,39.94) v1(14.9,55.4) v1(15.1,25.78) v1(15.1,13.7) v1(15.1,12.9) v1(16.05,38.03) v1(16.83,39.95) v1(17.36,45.37) v1(17.99,29.02) v1(18.07,19.88) v1(18.86,14.3) v1(24.5,0.6) v1(26.3,17.27) v1(27.4,55.4) v1(28,2.8) v1(28.63,18.3) v1(28.6,15.54) v1(28.88,21.25) v1(31.5,0.6) v1(32.9,36.5) v1(35.4,38.81) v1(35.4,30.9) v1(36.9,40.5) v1(38.8,55.4) v1(39.6,17) v1(40.5,26.8) v1(40.8,10.1) v1(40.8,9.3) v1(41.1,37.4) v1(41.1,36.6) v1(41.6,10.1) v1(41.6,9.3) v1(41.8,18.35) v1(41.9,37.4) v1(41.9,36.6) v1(42.8,17.3) v1(43.8,33.9) v1(44.9,16.2) v1(45.15,9.95) v1(45.15,9.45) v1(45.65,9.95) v1(45.65,9.45) v1(46.3,21.2) v1(46.3,16.3) v1(47.4,0.6) v1(55.4,41.4) v1(55.4,30.5) v1(55.4,19.7) v1(55.4,14.3) v2(21.6,24) v3(6.9,53.2) v3(30.8,44.7) v3(40.7,53) v3(51.67,34.05)
VCCRAM: length 34.8
  Top w0.305: v2(31.2,28) IC1.J4 IC1.J3 IC1.J2 IC1.J1 v2(34.6,28.4) ; v2(31.2,28) IC1.J5 v2(30.4,28) ; v2(31.2,28) IC1.H4 v2(31.2,27.2) ; v2(31.2,28) IC1.H5 ; v2(30.4,28) IC1.H5 ; v2(30.4,28) IC1.H6 ; IC1.H5 v2(30.4,27.2) ; IC1.H5 v2(31.2,27.2) ; IC1.H6 29.8,27.8 29.4,27.8 IC1.H7 ; IC1.H6 v2(30.4,27.2) ; v2(30.4,27.2) IC1.G5 ; U10.E4 v1(41.5,23) ; U10.E4 v1(41.5,24) ; U10.E4 v1(40.5,24) ; U10.B4 v1(41.5,21) ; v2(31.2,27.2) IC1.G5 ; v1(44.5,23) U10.D1 v1(43.5,23) ; IC1.G5 IC1.F5
  Top w0.508: v3(43.9,17.8) 43.9,17.5 44.2,17.2 v3(44.2,16.6) C60.1 42.77,15.68 U15.5
  Bottom w0.305: v2(31.2,28) v2(30.4,28) v2(30.4,27.2) ; v2(31.2,28) v2(31.2,27.2) ; v2(31.2,28) 31.72,28 C83.1
  Bottom w0.508: v3(43.9,17.8) 43.9,17.5 44.2,17.2 v3(44.2,16.6) R54.2 ; C5.1 40.92,22.42 v1(41.5,23) ; C19.1 30.32,27.92 v2(30.4,28) ; C31.1 44.72,22.78 v1(44.5,23) ; v1(43.5,23) 43.48,22.98 C65.1 ; v1(40.5,24) 40.5,23.3 C32.1 ; C21.1 41.52,20.98 v1(41.5,21) 41.48,20.98 C64.1 38.52,20.98 TP6.1 ; C82.1 33.92,28.4 v2(34.6,28.4)
/AUX Port/AUX PHY/CLK: length 2.2
  Top w0.127: RN8.8 17,20.75 U11.21
/AUX Port/AUX PHY/DATA0: length 5.7
  Top w0.127: U11.4 12.75,23.81 13.38,24.44 15.9,24.44 16.54,23.8 RN9.8
/AUX Port/AUX PHY/DATA1: length 6.1
  Top w0.127: RN9.7 16.55,24.3 16.15,24.7 13.28,24.7 12.25,23.67 U11.5
/AUX Port/AUX PHY/DATA2: length 6.6
  Top w0.127: U11.6 11.75,23.53 13.18,24.96 16.39,24.96 16.55,24.8 RN9.6
/AUX Port/AUX PHY/DATA3: length 8.4
  Top w0.127: RN9.5 17.02,25.22 13.08,25.22 10.55,22.69 10.55,22.46 10.76,22.25 U11.7
/AUX Port/AUX PHY/DATA4: length 9.8
  Top w0.127: RN10.8 13.85,26.35 10.29,22.79 10.29,22.22 10.76,21.75 U11.8
/AUX Port/AUX PHY/DATA5: length 11.7
  Top w0.127: RN10.7 13.99,26.85 9.96,22.82 9.96,21.2 10.41,20.75 U11.10
/AUX Port/AUX PHY/DATA6: length 12.7
  Top w0.127: RN10.6 16.94,27.19 13.97,27.19 9.7,22.92 9.7,21.08 10.53,20.25 U11.11
/AUX Port/AUX PHY/DATA7: length 13.8
  Top w0.127: U11.12 10.65,19.75 9.44,20.96 9.44,23.02 13.87,27.45 16.27,27.45 16.67,27.85 RN10.5
/AUX Port/AUX PHY/DIR: length 3.8
  Top w0.127: RN8.6 17.01,21.94 16.69,21.94 15.23,23.4 14.47,23.4 14.25,23.18 U11.1